# Altium PCB CoinCraftA1.PcbDoc (part 3 of 7)
Units mm, origin at the board's own origin, x right, y up, seen from the top; angles counter-clockwise.
Board outline 90.25 x 131.5 mm, 4 copper layers (Top Layer, Mid-Top Layer, Mid-Bottom Layer, Bottom Layer); 807 components, 132 nets, 2141 pads, 3703 vias.
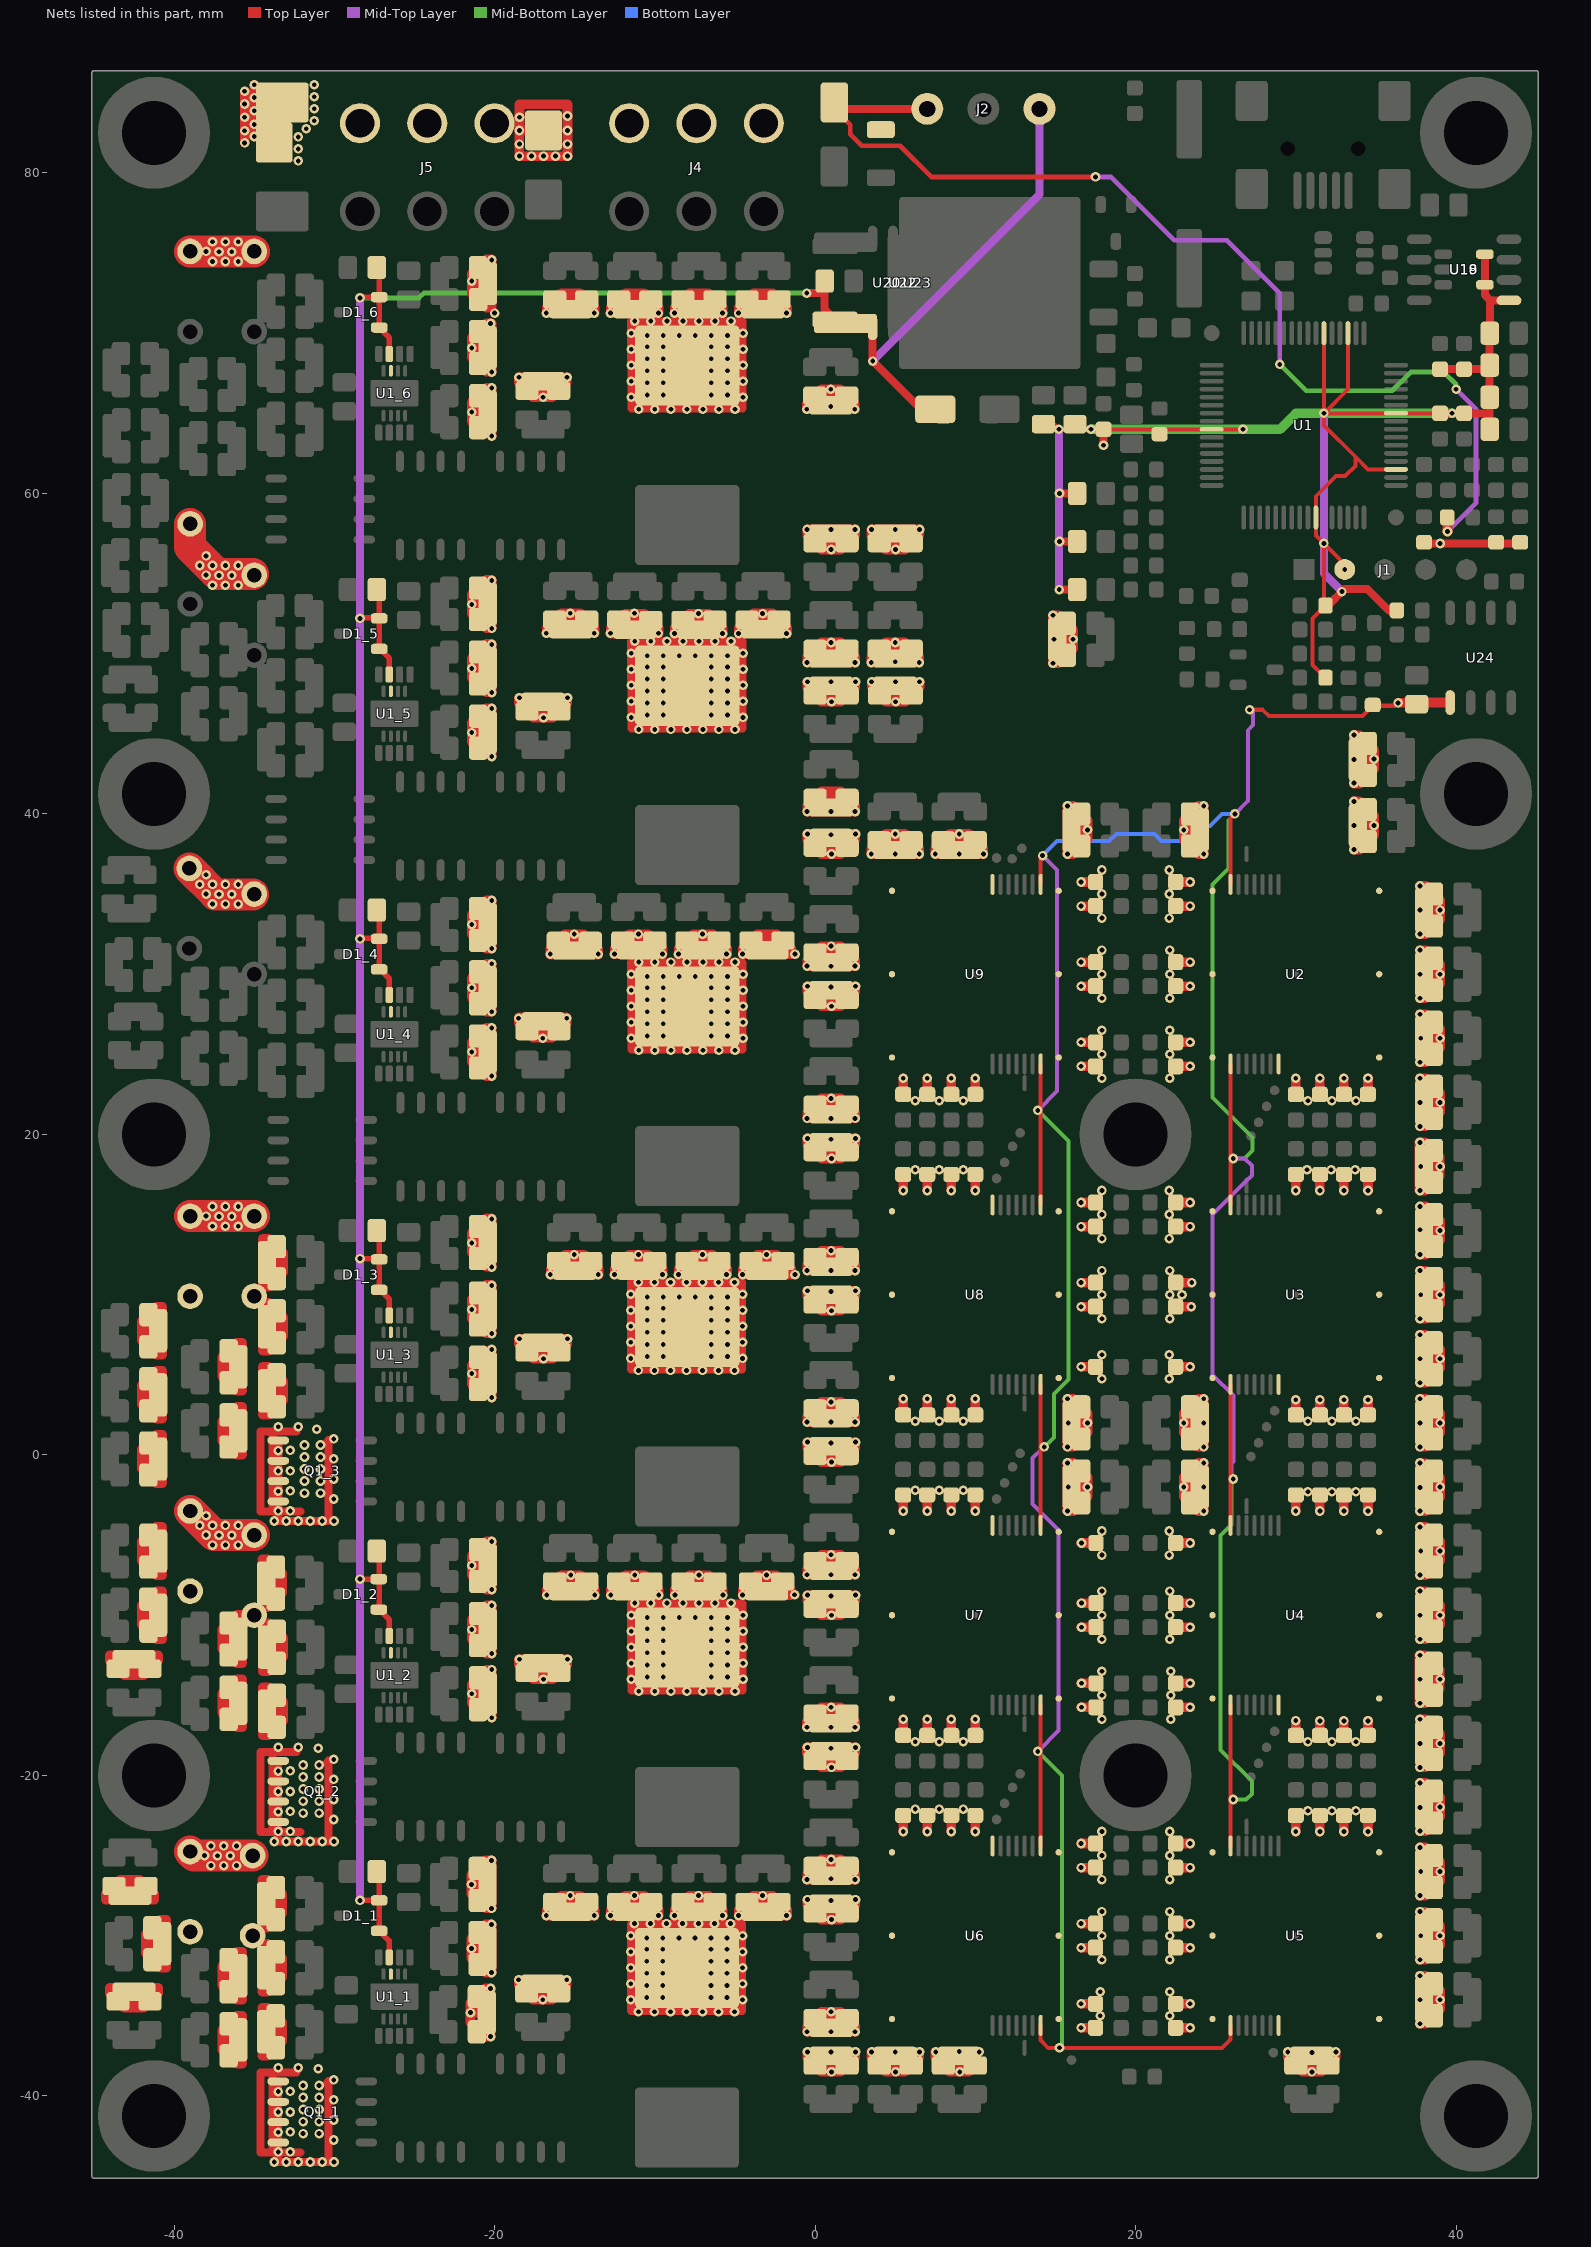
[diagram p5: the nets of this part, all layers, seen from the top]

## Via types
v1: diameter 0.6, hole 0.3, Top Layer to Bottom Layer, tented both sides, 3703 vias

## Nets (pads, with @x,y where several pads share a name; then routed paths per layer and width w, separated by ;. In a path a pad name is that pad's centre, name@x,y a point inside that pad or via, vN(x,y) a via of type N, cw(c..) or ccw(c..) an arc to the next point about the centre after c; other vN are vias at no path point)
0.8V: C1-1MO.1 C1-1SO.1 C1-2MO.1 C1-2S.1 C1-2SO.1 C1-3MO.1 C1-3S.1 C1-3SO.1 C1-4MO.1 C1-4S.1 C1-4SO.2 C1-5MO.1 C1-5S.1 C1-5SO.1 C1-6MO.1 C1-6S.1 C1-6SO.1 C1-7MO.1 C1-7S.1 C1-7SO.1 C1-8MO.1 C1-8S.1 C1-8SO.1 C1.1 C1_0.1 C1_1S.1 C2-1MO.1 C2-1S.1 C2-1SO.1 C2-2MO.1 C2-2S.1 C2-2SO.1 C2-3MO.1 C2-3S.1 C2-3SO.1 C2-4MO.1 C2-4S.1 C2-4SO.2 C2-5MO.1 C2-5S.1 C2-5SO.1 C2-6MO.1 C2-6S.1 C2-6SO.1 C2-7MO.1 C2-7S.1 C2-7SO.1 C2-8MO.1 C2-8S.1 C2-8SO.1 C2_0.1 C3-1MO.1 C3-1S.1 C3-1SO.1 C3-2MO.1 C3-2S.1 C3-2SO.1 C3-3MO.1 C3-3S.1 C3-3SO.1 C3-4MO.1 C3-4S.1 C3-4SO.1 C3-5MO.1 C3-5S.1 C3-5SO.1 C3-6MO.1 C3-6S.1 C3-6SO.1 C3-7MO.1 C3-7S.1 C3-7SO.1 C3-8MO.1 C3-8S.1 C3-8SO.1 C3_0.1 C4-1MO.1 C4-1S.1 C4-1SO.1 C4-2MO.1 C4-2S.1 C4-2SO.1 C4-3MO.1 C4-3S.1 C4-3SO.1 C4-4MO.1 C4-4S.1 C4-4SO.1 C4-5MO.1 C4-5S.1 C4-5SO.1 C4-6MO.1 C4-6S.1 C4-6SO.1 C4-7MO.1 C4-7S.1 C4-7SO.1 C4-8MO.1 C4-8S.1 C4-8SO.1 C4_0.1 C5-1MO.1 C5-1S.1 C5-1SO.1 C5-2MO.1 C5-2S.1 C5-2SO.2 C5-3MO.1 C5-3S.1 C5-3SO.1 C5-4MO.1 C5-4S.1 C5-4SO.1 C5-5MO.1 C5-5S.1 C5-5SO.1 C5-6MO.1 C5-6S.1 C5-6SO.1 C5-7MO.1 C5-7S.1 C5-7SO.1 C5-8MO.1 C5-8S.1 C5-8SO.1 C5_0.1 C6-1MO.1 C6-1S.1 C6-1SO.1 C6-2MO.1 C6-2S.1 C6-2SO.2 C6-3MO.1 C6-3S.1 C6-3SO.1 C6-4MO.1 C6-4S.1 C6-4SO.1 C6-5MO.1 C6-5S.1 C6-5SO.1 C6-6MO.1 C6-6S.1 C6-6SO.1 C6-7MO.1 C6-7S.1 C6-7SO.1 C6-8MO.1 C6-8S.1 C6-8SO.1 C6_0.1 C7-1MO.1 C7-1S.1 C7-1SO.1 C7-2MO.1 C7-2S.1 C7-2SO.2 C7-3MO.1 C7-3S.1 C7-3SO.1 C7-4MO.1 C7-4S.1 C7-4SO.1 C7-5MO.1 C7-5S.1 C7-5SO.1 C7-6MO.1 C7-6S.1 C7-6SO.1 C7-7MO.1 C7-7S.1 C7-7SO.1 C7-8MO.1 C7-8S.1 C7-8SO.1 C7_0.1 C8-1MO.1 C8-1S.1 C8-1SO.1 C8-2MO.1 C8-2S.1 C8-2SO.2 C8-3MO.1 C8-3S.1 C8-3SO.1 C8-4MO.1 C8-4S.1 C8-4SO.1 C8-5MO.1 C8-5S.1 C8-5SO.1 C8-6MO.1 C8-6S.1 C8-6SO.1 C8-7MO.1 C8-7S.1 C8-7SO.1 C8-8MO.1 C8-8S.1 C8-8SO.1 C8_0.1 C9-1MO.1 C9-1S.1 C9-1SO.1 C9-2MO.1 C9-2S.1 C9-2SO.2 C9-3MO.1 C9-3S.1 C9-3SO.2 C9-4MO.1 C9-4S.1 C9-4SO.1 C9-5MO.1 C9-5S.1 C9-5SO.1 C9-6MO.1 C9-6S.1 C9-6SO.1 C9-7MO.1 C9-7S.1 C9-7SO.2 C9-8MO.1 C9-8S.1 C9-8SO.1 C9_0.1 C10-1MO.1 C10-1S.1 C10-1SO.1 C10-2MO.1 C10-2S.1 C10-2SO.2 C10-3MO.1 C10-3S.1 C10-3SO.2 C10-4MO.1 C10-4S.1 C10-4SO.1 C10-5MO.1 C10-5S.1 C10-5SO.1 C10-6MO.1 C10-6S.1 C10-6SO.1 C10-7MO.1 C10-7S.1 C10-7SO.1 C10-8MO.1 C10-8S.1 C10-8SO.1 C10_0.1 C11-1MO.1 C11-1SO.2 C11-2MO.1 C11-2S.1 C11-2SO.1 C11-3MO.1 C11-3S.1 C11-3SO.1 C11-5MO.1 C11-5SO.1 C11-6S.1 C11-7S.1 C11-8MO.1 C11-8SO.1 C11_0.1 C11_1.1 C11_2.1 C11_3.1 C11_4.1 C12-1MO.1 C12-1SO.1 C12-2MO.1 C12-2S.1 C12-2SO.1 C12-3MO.1 C12-3S.1 C12-3SO.2 C12-5MO.1 C12-5SO.1 C12-6S.1 C12-7S.1 C12-8MO.1 C12-8SO.1 C12_0.1 C12_1.1 C12_2.1 C12_3.1 C12_4.1 C13-2S.1 C13-3S.1 C13-5MO.1 C13-5SO.1 C13-6S.1 C13-7S.1 C13-8MO.1 C13-8SO.1 C13_0.1 C13_1.1 C13_2.1 C13_3.1 C13_4.1 C14-5MO.1 C14-5SO.1 C14-8MO.1 C14-8SO.1 C14_0.1 C14_1.1 C14_2.1 C14_3.1 C14_4.1 C15-8MO.1 C15-8SO.1 C15_0.1 C15_1.1 C15_2.1 C15_3.1 C15_4.1 C16-8MO.1 C16-8SO.1 C16_0.1 C16_1.1 C16_2.1 C16_3.1 C16_4.1 C17_0.1 C17_1.1 C17_2.1 C17_3.1 C17_4.1 C18_0.1 C18_1.1 C18_2.1 C18_3.1 C18_4.1 C19_1.1 C19_2.1 C19_3.1 C19_4.1 C20_0.1 C20_1.1 C20_2.1 C20_3.1 C20_4.1 C21_0.1 C21_1.1 C21_2.1 C21_3.1 C21_4.1 C22_0.1 C22_1.1 C22_2.1 C22_3.1 C22_4.1 C23_0.1 C23_1.1 C23_2.1 C23_3.1 C23_4.1 C24_0.1 C24_1.1 C24_3.1 C24_4.1 C25_0.1 C25_1.1 C25_3.1 C25_4.1 C26_0.1 C26_1.1 C26_2.1 C26_3.1 C26_4.1 C27_0.1 C28_0.1 C40_5.1 C40_6.1 C41_5.1 C41_6.1 C42_5.1 C42_6.1 C43_5.1 C43_6.1 C44_5.1 C44_6.1 C45_5.1 C45_6.1 C46_5.1 C46_6.1 C47_5.1 C47_6.1 C48_5.1 C48_6.1 C49_5.1 C49_6.1 C50_5.1 C50_6.1 C51_5.1 C51_6.1 C52_5.1 C52_6.1 C53_5.1 C53_6.1 C54_5.1 C54_6.1 C55_5.1 C55_6.1 C61_1.1 C61_2.1 C61_3.1 C61_4.1 C61_5.1 C61_6.1 C62_1.1 C62_2.1 C62_3.1 C62_4.1 C62_5.1 C62_6.1 C63_1.1 C63_2.1 C63_3.1 C63_4.1 C63_5.1 C63_6.1 C64_1.1 C64_2.1 C64_3.1 C64_4.1 C64_5.1 C64_6.1 C65_1.1 C65_2.1 C65_3.1 C65_4.1 C65_5.1 C65_6.1 C66_1.1 C66_2.1 C66_3.1 C66_4.1 C66_5.1 C66_6.1 C67_1.1 C67_2.1 C67_3.1 C67_4.1 C67_5.1 C67_6.1 C68_1.1 C68_2.1 C68_3.1 C68_4.1 C68_5.1 C68_6.1 C81_2.1 C82_2.1 C358.1 C359.1 C360.1 C364.1 C366.1 C367.1 C371.1 C374.1 C375.1 C376.1 C377.1 C378.1 C379.1 C383.1 C387.1 C503.1 C504.1 C505.1 C506.1 C507.1 C508.1 C509.1 C510.1 C511.1 C512.1 C513.1 C514.1 C515.1 C516.1 C517.1 C518.1 C519.1 C520.1 C521.1 C522.1 C523.1 C524.1 C525.1 C526.1 C528.1 C529.1 C530.1 C531.1 C532.1 C533.1 C534.1 C536.1 L1_1.2 L1_2.2 L1_3.2 L1_4.2 L1_5.2 L1_6.2 R11.2 R14.2 R43.2 U2.1 U2.8 U2.9 U2.10 U2.11 U2.19 U2.20 U3.1 U3.8 U3.9 U3.10 U3.11 U3.19 U3.20 U4.1 U4.8 U4.9 U4.10 U4.11 U4.19 U4.20 U5.1 U5.8 U5.9 U5.10 U5.11 U5.19 U5.20 U6.1 U6.8 U6.9 U6.10 U6.11 U6.19 U6.20 U7.1 U7.8 U7.9 U7.10 U7.11 U7.19 U7.20 U8.1 U8.8 U8.9 U8.10 U8.11 U8.19 U8.20 U9.1 U9.8 U9.9 U9.10 U9.11 U9.19 U9.20 | length 1322.9
  Top Layer w0.5: v1(-10.5,-33.85) L1_1.2@-10.5,-30.715 ; v1(-10.475,-13.85) L1_2.2@-10.475,-10.715 ; v1(-10.475,6.15) L1_3.2@-10.475,9.285 ; v1(-10.475,26.15) L1_4.2@-10.475,29.285 ; v1(-10.475,46.175) L1_5.2@-10.475,49.31 ; v1(-10.475,66.15) L1_6.2@-10.475,69.285 ; L1_1.2@-9.61,-30.415 L1_1.2@-8,-32.025 ; L1_2.2@-9.585,-10.415 L1_2.2@-7.975,-12.025 ; L1_3.2@-9.585,9.585 L1_3.2@-7.975,7.975 ; L1_4.2@-9.585,29.585 L1_4.2@-7.975,27.975 ; L1_5.2@-9.585,49.61 L1_5.2@-7.975,48 ; L1_6.2@-9.585,69.585 L1_6.2@-7.975,67.975 ; L1_1.2@-9.525,-33.55 L1_1.2@-8,-32.025 ; v1(-9.5,-33.85) L1_1.2@-9.5,-30.715 ; v1(-9.5,-30.15) v1(-8.5,-30.15) v1(-7.5,-30.15) v1(-6.5,-30.15) v1(-5.5,-30.15) ; L1_2.2@-9.5,-13.55 L1_2.2@-7.975,-12.025 ; L1_3.2@-9.5,6.45 L1_3.2@-7.975,7.975 ; L1_4.2@-9.5,26.45 L1_4.2@-7.975,27.975 ; L1_5.2@-9.5,46.475 L1_5.2@-7.975,48 ; L1_6.2@-9.5,66.45 L1_6.2@-7.975,67.975 ; v1(-9.475,-13.85) L1_2.2@-9.475,-10.715 ; v1(-9.475,-10.15) v1(-8.475,-10.15) v1(-7.475,-10.15) v1(-6.475,-10.15) v1(-5.475,-10.15) ; v1(-9.475,6.15) L1_3.2@-9.475,9.285 ; v1(-9.475,9.85) v1(-8.475,9.85) v1(-7.475,9.85) v1(-6.475,9.85) v1(-5.475,9.85) ; v1(-9.475,26.15) L1_4.2@-9.475,29.285 ; v1(-9.475,29.85) v1(-8.475,29.85) v1(-7.475,29.85) v1(-6.475,29.85) v1(-5.475,29.85) ; v1(-9.475,46.175) L1_5.2@-9.475,49.31 ; v1(-9.475,49.875) v1(-8.475,49.875) v1(-7.475,49.875) v1(-6.475,49.875) v1(-5.475,49.875) ; v1(-9.475,66.15) L1_6.2@-9.475,69.285 ; v1(-9.475,69.85) v1(-8.475,69.85) v1(-7.475,69.85) v1(-6.475,69.85) v1(-5.475,69.85) ; L1_3.2@-8,8 v1@-11.5,8 ; v1(-6.5,-33.85) L1_1.2@-6.5,-30.715 ; v1(-6.475,-13.85) L1_2.2@-6.475,-10.715 ; v1(-6.475,6.15) L1_3.2@-6.475,9.285 ; v1(-6.475,26.15) L1_4.2@-6.475,29.285 ; v1(-6.475,46.175) L1_5.2@-6.475,49.31 ; v1(-6.475,66.15) L1_6.2@-6.475,69.285 ; L1_1.2@-6.225,-33.8 L1_1.2@-8,-32.025 ; L1_2.2@-6.2,-13.8 L1_2.2@-7.975,-12.025 ; L1_3.2@-6.2,6.2 L1_3.2@-7.975,7.975 ; L1_4.2@-6.2,26.2 L1_4.2@-7.975,27.975 ; L1_5.2@-6.2,46.225 L1_5.2@-7.975,48 ; L1_6.2@-6.2,66.2 L1_6.2@-7.975,67.975 ; v1(-5.5,-33.85) L1_1.2@-5.5,-30.715 ; v1(-5.475,-13.85) L1_2.2@-5.475,-10.715 ; v1(-5.475,6.15) L1_3.2@-5.475,9.285 ; v1(-5.475,26.15) L1_4.2@-5.475,29.285 ; v1(-5.475,46.175) L1_5.2@-5.475,49.31 ; v1(-5.475,66.15) L1_6.2@-5.475,69.285 ; R43.2@38,56.95 38.073,56.877 v1(39,56.877) R11.2@43.927,56.877 ; v1@-11.5,-32.025 L1_1.2@-8,-32.025 ; v1@-11.5,-32.025 -11.475,-32.05 -11.475,-34.7 -4.55,-34.7 v1@-4.55,-29.75 ; v1@-11.5,-32.025 v1@-11.5,-29.75 ; v1@-11.5,-29.75 v1@-4.55,-29.75 ; v1@-11.5,-29.75 -11.5,-29.275 -4.55,-29.275 v1@-4.55,-29.75 ; v1@-11.5,8 -11.475,7.975 -11.475,5.325 -4.55,5.325 v1@-4.55,10.275 ; v1@-11.5,8 v1@-11.5,10.275 ; v1@-11.5,10.275 v1@-4.55,10.275 ; v1@-11.5,10.275 -11.5,10.75 -4.55,10.75 v1@-4.55,10.275 ; v1@-11.475,-12.025 L1_2.2@-7.975,-12.025 ; v1@-11.475,-12.025 -11.45,-12.05 -11.45,-14.7 -4.525,-14.7 v1@-4.525,-9.75 ; v1@-11.475,-12.025 v1@-11.475,-9.75 ; v1@-11.475,-9.75 v1@-4.525,-9.75 ; v1@-11.475,-9.75 -11.475,-9.275 -4.525,-9.275 v1@-4.525,-9.75 ; v1@-11.475,27.975 L1_4.2@-7.975,27.975 ; v1@-11.475,27.975 -11.45,27.95 -11.45,25.3 -4.525,25.3 v1@-4.525,30.25 ; v1@-11.475,27.975 v1@-11.475,30.25 ; v1@-11.475,30.25 v1@-4.525,30.25 ; v1@-11.475,30.25 -11.475,30.725 -4.525,30.725 v1@-4.525,30.25 ; v1@-11.475,48 L1_5.2@-7.975,48 ; v1@-11.475,48 -11.45,47.975 -11.45,45.325 -4.525,45.325 v1@-4.525,50.275 ; v1@-11.475,48 v1@-11.475,50.275 ; v1@-11.475,50.275 v1@-4.525,50.275 ; v1@-11.475,50.275 -11.475,50.75 -4.525,50.75 v1@-4.525,50.275 ; v1@-11.475,67.975 v1@-11.475,70.25 ; v1@-11.475,67.975 -11.45,67.95 -11.45,65.3 -4.525,65.3 v1@-4.525,70.25 ; v1@-11.475,67.975 L1_6.2@-7.975,67.975 ; v1@-11.475,70.25 -11.475,70.725 -4.525,70.725 v1@-4.525,70.25 ; v1@-11.475,70.25 v1@-4.525,70.25